# Altium PCB PCB1.PcbDoc (part 2 of 4)
Units mm, origin at the board's own origin, x right, y up, seen from the top; angles counter-clockwise.
Board outline 330.2 x 176.28 mm, 2 copper layers (Top Layer, Bottom Layer); 535 components, 753 nets, 2972 pads, 0 vias.
Unrouted connection lines stored in the file: 384.
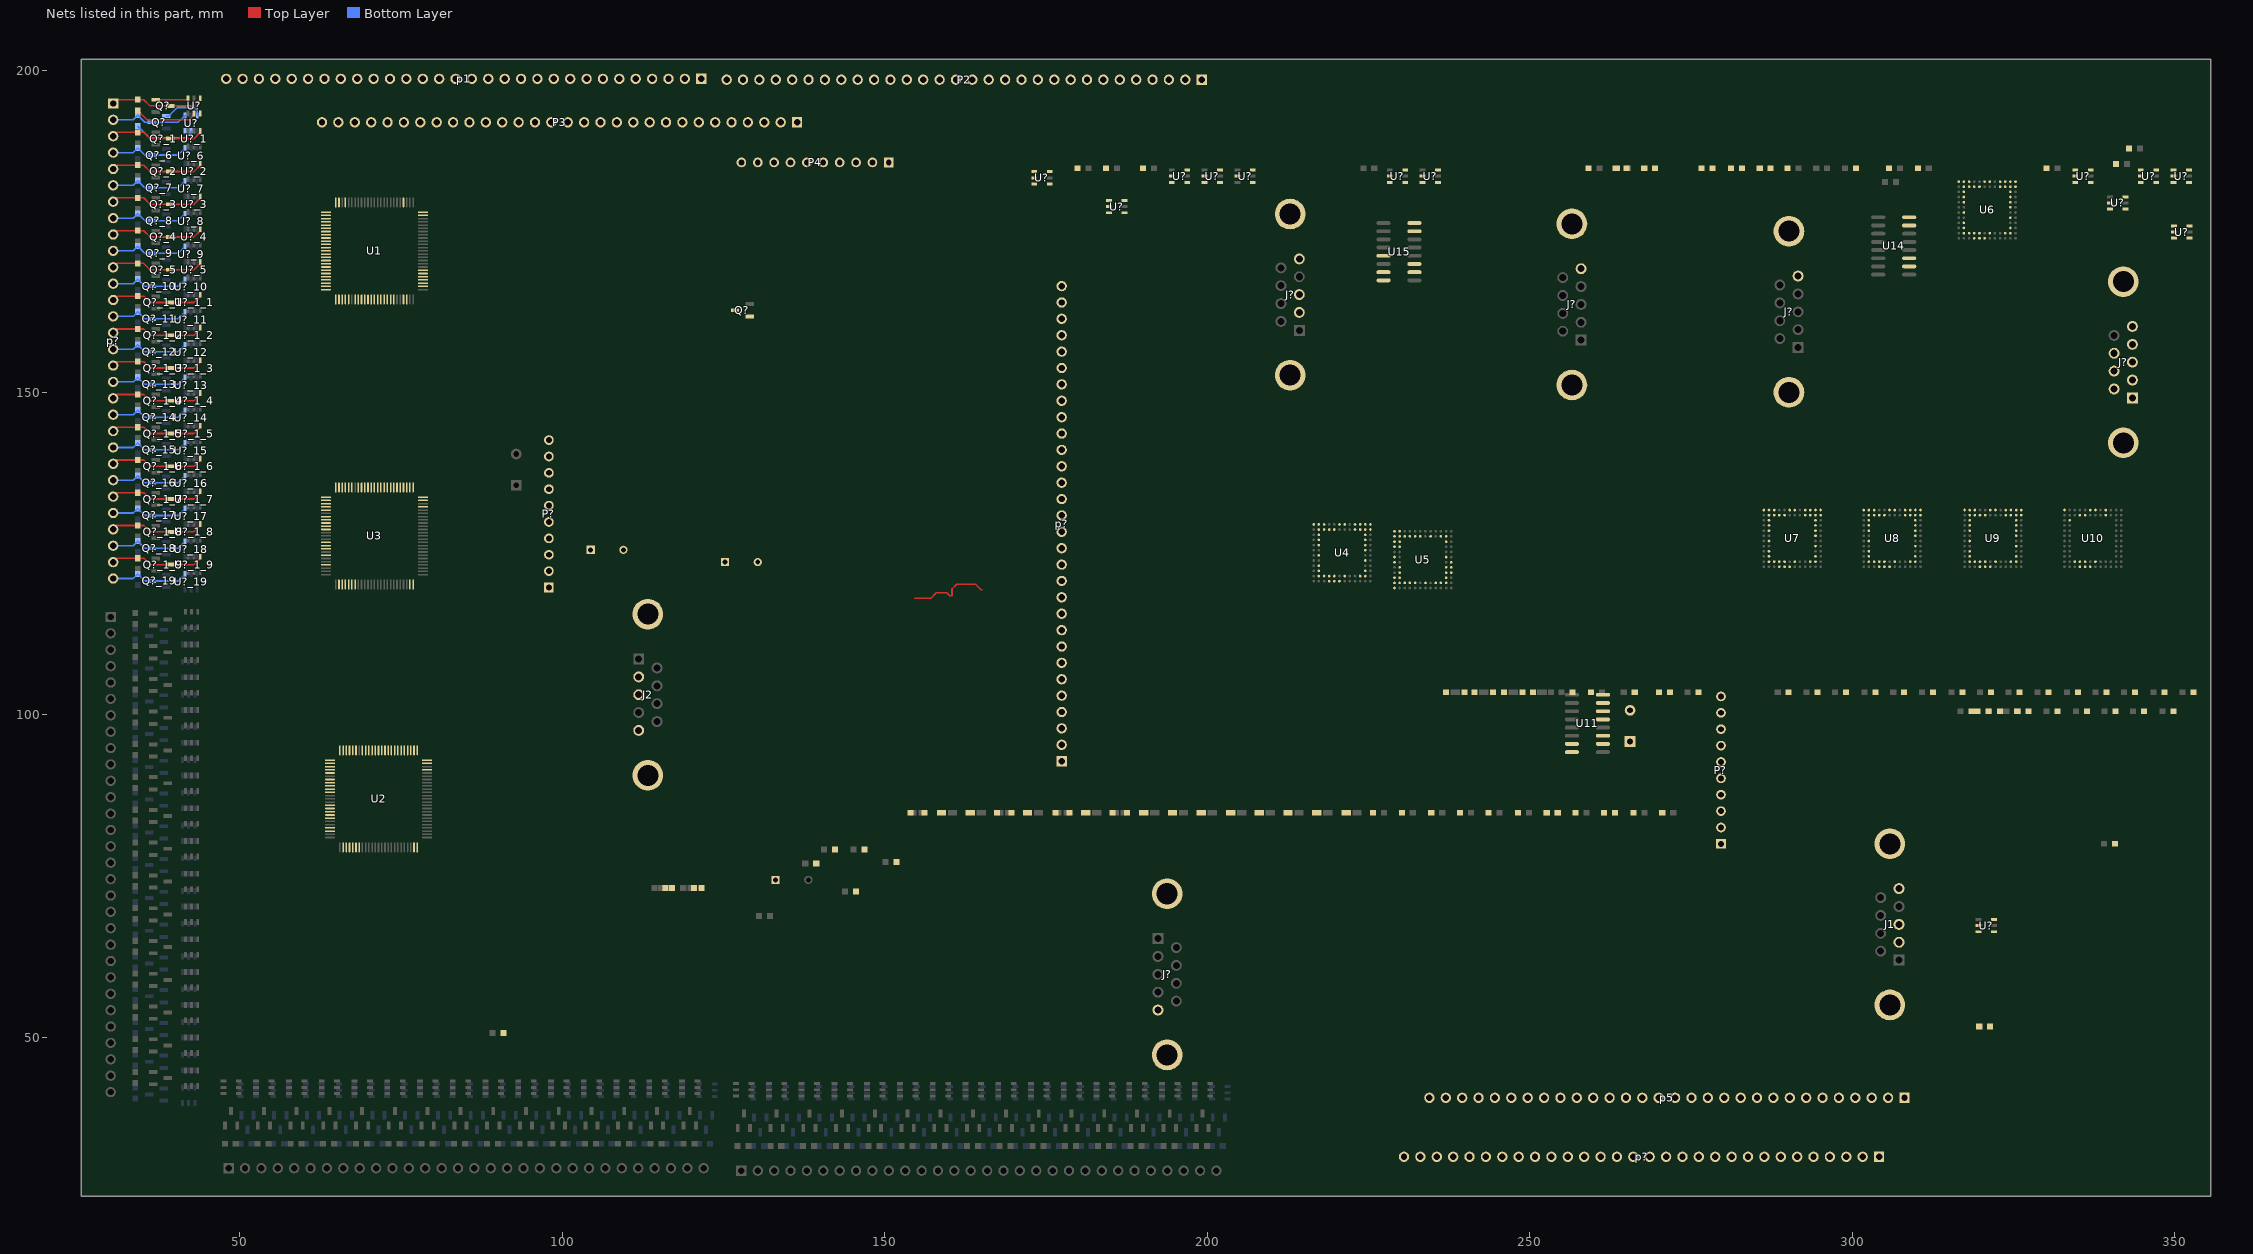
[diagram p2: the nets of this part, all layers, seen from the top]

## Part data
C? C? C? C? C? C? C? C? C? C? C? C? C?: library part Cap, "Capacitor", LatestRevisionDate=17-Jul-2002, LatestRevisionNote="Re-released for DXP Platform.", PackageReference=RAD-0.3, Published=8-Jun-2000, Publisher="Altium Limited"
J1 J2 J? J? J? J? J?: "Receptacle Assembly, 9 Position, Right Angle", PackageDocument=O, DatasheetDocument=1-Sep-1999, Gender=Receptacle, LatestRevisionDate=17-Jul-2002, LatestRevisionNote="Re-released for DXP Platform.", Orientation="Right Angle", PackageReference=788750, Positions=9, Published=15-Jun-2001, Publisher="Altium Limited"
p1 P2 P3 p5 p? p? p? p?_1 p?_1_1 p?_1_2: "Header, 30-Pin", LatestRevisionDate=17-Jul-2002, LatestRevisionNote="Re-released for DXP Platform.", Publisher="Altium Limited"
P4 P? P?: "Header, 10-Pin", LatestRevisionDate=17-Jul-2002, LatestRevisionNote="Re-released for DXP Platform.", Publisher="Altium Limited"
Q? Q? Q? Q?_1 Q?_1_1 Q?_1_1_1 Q?_1_1_1_1 Q?_1_1_1_2 Q?_1_2 Q?_1_2_1 Q?_1_2_1_1 Q?_1_2_1_2 Q?_1_3 Q?_1_3_1 Q?_1_3_1_1 Q?_1_3_1_2 Q?_1_4 Q?_1_4_1 Q?_1_4_1_1 Q?_1_4_1_2 Q?_1_5 Q?_1_5_1 Q?_1_5_1_1 Q?_1_5_1_2 Q?_1_6 Q?_1_6_1 Q?_1_6_1_1 Q?_1_6_1_2 Q?_1_7 Q?_1_7_1 Q?_1_7_1_1 Q?_1_7_1_2 Q?_1_8 Q?_1_8_1 Q?_1_8_1_1 Q?_1_8_1_2 Q?_1_9 Q?_1_9_1 Q?_1_9_1_1 Q?_1_9_1_2 Q?_1_10 Q?_1_10_1 Q?_1_10_2 Q?_2 Q?_2_1 Q?_2_1_1 Q?_2_1_2 Q?_3 Q?_3_1 Q?_3_1_1 Q?_3_1_2 Q?_4 Q?_4_1 Q?_4_1_1 Q?_4_1_2 Q?_5 Q?_5_1 Q?_5_1_1 Q?_5_1_2 Q?_6 Q?_6_1 Q?_6_1_1 Q?_6_1_2 Q?_7 Q?_7_1 Q?_7_1_1 Q?_7_1_2 Q?_8 Q?_8_1 Q?_8_1_1 Q?_8_1_2 Q?_9 Q?_9_1 Q?_9_1_1 Q?_9_1_2 Q?_10 Q?_10_1 Q?_10_1_1 Q?_10_1_2 Q?_11 Q?_11_1 Q?_11_1_1 Q?_11_1_2 Q?_12 Q?_12_1 Q?_12_1_1 Q?_12_1_2 Q?_13 Q?_13_1 Q?_13_1_1 Q?_13_1_2 Q?_14 Q?_14_1 Q?_14_1_1 Q?_14_1_2 Q?_15 Q?_15_1 Q?_15_1_1 Q?_15_1_2 Q?_16 Q?_16_1 Q?_16_1_1 Q?_16_1_2 Q?_17 Q?_17_1 Q?_17_1_1 Q?_17_1_2 Q?_18 Q?_18_1 Q?_18_1_1 Q?_18_1_2 Q?_19 Q?_19_1 Q?_19_1_1 Q?_19_1_2 Q?_20 Q?_20 Q?_20_1 Q?_20_1 Q?_20_2 Q?_20_2: "N-Channel MOSFET", LatestRevisionDate=17-Jul-2002, LatestRevisionNote="Re-released for DXP Platform.", PackageDescription="TO, Flat Index; 3 In-Line, Axial Leads; Body Dia. 4.6mm; Lead Dia. 0.5 mm (max)", PackageReference=E3, PackageVersion=1995/1996, Published=8-Jun-2000, Publisher="Altium Limited"
R? R? R? R? R? R? R? R? R? R? R? R? R? R? R? R? R? R? R? R? R? R? R? R? R? R? R? R? R? R? R? R? R? R? R? R? R? R? R? R? R? R? R? R? R? R? R? R? R? R? R? R? R? R? R? R? R? R? R? R? R? R? R? R? R? R? R? R? R? R? R? R? R? R? R? R? R? R? R? R? R? R? R? R? R? R? R? R? R? R? R? R? R? R? R? R? R? R? R? R? R? R? R? R? R? R? R? R? R? R? R? R? R?_1 R?_1_1 R?_1_1_1 R?_1_1_1_1 R?_1_1_1_2 R?_1_2 R?_1_2_1 R?_1_2_1_1 R?_1_2_1_2 R?_1_3 R?_1_3_1 R?_1_3_1_1 R?_1_3_1_2 R?_1_4 R?_1_4_1 R?_1_4_1_1 R?_1_4_1_2 R?_1_5 R?_1_5_1 R?_1_5_1_1 R?_1_5_1_2 R?_1_6 R?_1_6_1 R?_1_6_1_1 R?_1_6_1_2 R?_1_7 R?_1_7_1 R?_1_7_1_1 R?_1_7_1_2 R?_1_8 R?_1_8_1 R?_1_8_1_1 R?_1_8_1_2 R?_1_9 R?_1_9_1 R?_1_9_1_1 R?_1_9_1_2 R?_1_10 R?_1_10_1 R?_1_10_2 R?_2 R?_2_1 R?_2_1_1 R?_2_1_2 R?_3 R?_3_1 R?_3_1_1 R?_3_1_2 R?_4 R?_4_1 R?_4_1_1 R?_4_1_2 R?_5 R?_5_1 R?_5_1_1 R?_5_1_2 R?_6 R?_6_1 R?_6_1_1 R?_6_1_2 R?_7 R?_7_1 R?_7_1_1 R?_7_1_2 R?_8 R?_8_1 R?_8_1_1 R?_8_1_2 R?_9 R?_9_1 R?_9_1_1 R?_9_1_2 R?_10 R?_10_1 R?_10_1_1 R?_10_1_2 R?_11 R?_11_1 R?_11_1_1 R?_11_1_2 R?_12 R?_12_1 R?_12_1_1 R?_12_1_2 R?_13 R?_13_1 R?_13_1_1 R?_13_1_2 R?_14 R?_14_1 R?_14_1_1 R?_14_1_2 R?_15 R?_15_1 R?_15_1_1 R?_15_1_2 R?_16 R?_16_1 R?_16_1_1 R?_16_1_2 R?_17 R?_17_1 R?_17_1_1 R?_17_1_2 R?_18 R?_18_1 R?_18_1_1 R?_18_1_2 R?_19 R?_19_1 R?_19_1_1 R?_19_1_2 R?_20 R?_20 R?_20_1 R?_20_1 R?_20_2 R?_20_2: library part Res, "Resistor", LatestRevisionDate=17-Jul-2002, LatestRevisionNote="Re-released for DXP Platform.", PackageReference=AXIAL-0.3, Published=8-Jun-2000, Publisher="Altium Limited"
S1 S? S?: "Switch", LatestRevisionDate=17-Jul-2002, LatestRevisionNote="Re-released for DXP Platform.", PackageReference=SPST-2, Published=24-Mar-1999, Publisher="Altium Limited"
U1 U2 U3: "STM32 ARM-based 32-bit MCU with 64 Kbytes Flash, 100-pin LQFP, Industrial Temperature", ComponentLink1Description="Manufacturer Link", ComponentLink1URL=www.st.com/stm32, ComponentLink2Description=Datasheet, ComponentLink2URL=http://www.st.com/stonline/products/literature/ds/13587.pdf, DatasheetVersion="rev6, Mar-2008", PackageDescription="100-Pin Low-Profile Quad Flat Pack, 14 x 14 mm Body, 0.5 mm Pitch (LQFP100)", PackageReference=LQFP100, PackageVersion=Mar-2008, Published=30-May-2008, Publisher="Altium Limited"
U4 U5 U6 U7 U8 U9 U10: "16 Input/16 Output Analog I/O Port With Integrated Amplifiers", Package="CSPBGA -80 Analog Devices", Check_prices=https://www.snapeda.com/parts/AD5590BBCZ/Analog+Devices/view-part/?ref=eda, MF="Analog Devices", MP=AD5590BBCZ, SnapEDA_Link=https://www.snapeda.com/parts/AD5590BBCZ/Analog+Devices/view-part/?ref=snap
U11 U14 U15: "+5V Powered, Multi-Channel RS-232 Driver/Receiver", ComponentAuthor="Saeid Jorablo", ComponentLink1Description=Datasheet, ComponentLink1URL=http://pdfserv.maxim-ic.com/en/ds/MAX220-MAX249.pdf
U? U? U? U? U? U? U? U? U? U? U? U? U? U? U? U?_1 U?_1_1 U?_1_1_1 U?_1_1_1_1 U?_1_1_1_2 U?_1_2 U?_1_2_1 U?_1_2_1_1 U?_1_2_1_2 U?_1_3 U?_1_3_1 U?_1_3_1_1 U?_1_3_1_2 U?_1_4 U?_1_4_1 U?_1_4_1_1 U?_1_4_1_2 U?_1_5 U?_1_5_1 U?_1_5_1_1 U?_1_5_1_2 U?_1_6 U?_1_6_1 U?_1_6_1_1 U?_1_6_1_2 U?_1_7 U?_1_7_1 U?_1_7_1_1 U?_1_7_1_2 U?_1_8 U?_1_8_1 U?_1_8_1_1 U?_1_8_1_2 U?_1_9 U?_1_9_1 U?_1_9_1_1 U?_1_9_1_2 U?_1_10 U?_1_10_1 U?_1_10_2 U?_2 U?_2_1 U?_2_1_1 U?_2_1_2 U?_3 U?_3_1 U?_3_1_1 U?_3_1_2 U?_4 U?_4_1 U?_4_1_1 U?_4_1_2 U?_5 U?_5_1 U?_5_1_1 U?_5_1_2 U?_6 U?_6_1 U?_6_1_1 U?_6_1_2 U?_7 U?_7_1 U?_7_1_1 U?_7_1_2 U?_8 U?_8_1 U?_8_1_1 U?_8_1_2 U?_9 U?_9_1 U?_9_1_1 U?_9_1_2 U?_10 U?_10_1 U?_10_1_1 U?_10_1_2 U?_11 U?_11_1 U?_11_1_1 U?_11_1_2 U?_12 U?_12_1 U?_12_1_1 U?_12_1_2 U?_13 U?_13_1 U?_13_1_1 U?_13_1_2 U?_14 U?_14_1 U?_14_1_1 U?_14_1_2 U?_15 U?_15_1 U?_15_1_1 U?_15_1_2 U?_16 U?_16_1 U?_16_1_1 U?_16_1_2 U?_17 U?_17_1 U?_17_1_1 U?_17_1_2 U?_18 U?_18_1 U?_18_1_1 U?_18_1_2 U?_19 U?_19_1 U?_19_1_1 U?_19_1_2 U?_20 U?_20 U?_20_1 U?_20_1 U?_20_2 U?_20_2: "High Accuracy Ultralow IQ,  200 mA, SOT-23, anyCAP? Low Dropout Regulator"
Y? Y?: library part XTAL, "Crystal Oscillator", LatestRevisionDate=17-Jul-2002, LatestRevisionNote="Re-released for DXP Platform.", PackageReference=R38, Published=8-Jun-2000, Publisher="Altium Limited"

## Nets (pads, with @x,y where several pads share a name; then routed paths per layer and width w, separated by ;. In a path a pad name is that pad's centre, name@x,y a point inside that pad or via, vN(x,y) a via of type N, cw(c..) or ccw(c..) an arc to the next point about the centre after c; other vN are vias at no path point)
1: 
1.8: 
1V8: 
3.3v: C?.2@244.31,103.505 C?.2@300.571,184.785 U1.11 U1.22 U1.28 U1.50 U1.75 U1.100 U2.11 U2.22 U2.28 U2.50 U2.75 U2.100 U3.11 U3.22 U3.28 U3.50 U3.75 U3.100 U11.16 U14.16 U15.16 U?.6@175.571,184.236 U?.6@187.185,179.766 U?.6@336.988,184.49 U?.6@342.379,180.34 U?.6@347.148,184.49 U?.6@352.228,184.49 U?.6@352.285,175.829
3V3: 
5v: Q?.1 R?.1@190.03,184.785 R?.1@305.727,184.785 R?.1@310.172,184.785 R?.1@330.111,184.785 U?.6@41.951,195.637 U?.6@43.393,192.97 U?.6@196.907,184.49 U?.6@201.987,184.49 U?.6@207.067,184.49 U?.6@230.689,184.49 U?.6@235.769,184.49 U?.6@322.002,68.285 | length 11.5
  Top Layer w0.254: Q?.1@36.974,195.387 41.853,195.387 41.951,195.485 U?.6@41.951,195.637
  Bottom Layer w0.254: Q?.1@38.591,192.847 38.941,192.847 40.277,194.183 42.926,194.183 43.393,193.716 U?.6@43.393,192.97
adc_clk_1: U4.L7
adc_clk_2: U5.L7
adc_clk_3: U6.L7
adc_clk_4: U7.L7
adc_clk_5: U8.L7
adc_clk_6: U9.L7
adc_clk_7: U10.L7
adc_output_1: U4.M6
adc_output_2: U5.M6
adc_output_3: U6.M6
adc_output_4: U7.M6
adc_output_5: U8.M6
adc_output_6: U9.M6
adc_output_7: U10.M6
analog_out_1: U4.A1 U?.1@334.588,184.49
analog_out_2: U4.B9
analog_out_3: U4.C2
analog_out_4: U4.B4
analog_out_5: U4.D2
analog_out_6: U4.A3
analog_out_7: U4.E2
analog_out_8: U4.A2
analog_out_9: U4.A10
analog_out_10: U4.C11
analog_out_11: U4.A11
analog_out_12: U4.D11
analog_out_13: U4.B10
analog_out_14: U4.E11
analog_out_15: U4.A12
analog_out_16: U4.F11
analog_out_17: U5.A1
analog_out_18: U5.B9
analog_out_19: U5.C2
analog_out_20: U5.B4
analog_out_21: U5.D2
analog_out_22: U5.A3
analog_out_23: U5.E2
analog_out_24: U5.A2
analog_out_25: U5.A10
analog_out_26: U5.C11
analog_out_27: U5.A11
analog_out_28: U5.D11
analog_out_29: U5.B10
analog_out_30: U5.E11
analog_out_31: U5.A12
analog_out_32: U5.F11
analog_out_33: U6.A1
analog_out_34: U6.B9
analog_out_35: U2.77 U6.C2
analog_out_36: U2.78 U6.B4
analog_out_37: U2.79 U6.D2
analog_out_38: U2.80 U6.A3
analog_out_39: U2.81 U6.E2
analog_out_40: U2.82 U6.A2
analog_out_41: U2.83 U6.A10 U?.1@344.748,184.49
analog_out_42: U2.84 U6.C11
analog_out_43: U2.85 U6.A11
analog_out_44: U2.86 U6.D11
analog_out_45: U2.87 U6.B10
analog_out_46: U2.88 U6.E11
analog_out_47: U2.89 U6.A12
analog_out_48: U2.90 U6.F11
analog_out_49: U2.91 U7.A1
analog_out_50: U2.92 U7.B9
analog_out_51: U2.93 U7.C2
analog_out_52: U2.95 U7.B4
analog_out_53: U2.96 U7.D2
analog_out_54: U2.97 U7.A3
analog_out_55: U2.98 U7.E2
analog_out_56: U2.1 U7.A2
analog_out_57: U2.2 U7.A10
analog_out_58: U2.3 U7.C11
analog_out_59: U2.4 U7.A11
analog_out_60: U2.5 U7.D11
analog_out_61: U2.7 U7.B10 U?.1@349.828,184.49
analog_out_62: U2.8 U7.E11 U?.1@173.171,184.236
analog_out_63: U2.9 U7.A12
analog_out_64: U2.15 U7.F11
analog_out_65: U2.16 U8.A1
analog_out_66: U2.17 U8.B9
analog_out_67: U2.18 U8.C2
analog_out_68: U2.23 U8.B4
analog_out_69: U3.77 U8.D2
analog_out_70: U3.78 U8.A3
analog_out_71: U3.79 U8.E2
analog_out_72: U3.80 U8.A2
analog_out_73: U3.81 U8.A10
analog_out_74: U3.82 U8.C11
analog_out_75: U3.83 U8.A11
analog_out_76: U3.84 U8.D11
analog_out_77: U3.85 U8.B10
analog_out_78: U3.86 U8.E11
analog_out_79: U3.87 U8.A12
analog_out_80: U3.88 U8.F11
analog_out_81: U3.89 U9.A1 U?.1@349.885,175.829
analog_out_82: U3.90 U9.B9 U?.1@184.785,179.766
analog_out_83: U3.91 U9.C2
analog_out_84: U3.92 U9.B4
analog_out_85: U3.93 U9.D2
analog_out_86: U3.95 U9.A3
analog_out_87: U3.96 U9.E2
analog_out_88: U3.97 U9.A2
analog_out_89: U3.98 U9.A10
analog_out_90: U3.1 U9.C11
analog_out_91: U3.2 U9.A11
analog_out_92: U3.3 U9.D11
analog_out_93: U3.4 U9.B10
analog_out_94: U3.5 U9.E11
analog_out_95: U3.7 U9.A12
analog_out_96: U3.8 U9.F11
analog_out_97: U3.9 U10.A1
analog_out_98: U3.15 U10.B9
analog_out_99: U3.16 U10.C2
analog_out_100: U3.17 U10.B4
AVDD18: 
AVDD33: C?.1@169.634,84.836 C?.1@179.87,184.785 C?.1@259.118,184.785 C?.1@259.499,103.505 C?.1@340.906,185.42 J1.5 J1.10 J1.11 J2.5 J2.10 J2.11 J?.5@192.359,54.241 J?.5@214.272,170.718 J?.5@257.96,169.194 J?.5@291.615,168.051 J?.10@193.779,72.276 J?.10@212.852,152.683 J?.10@256.54,151.159 J?.10@290.195,150.016 J?.11@193.779,47.286 J?.11@212.852,177.673 J?.11@256.54,176.149 J?.11@290.195,175.006 R?.1@34.163,191.3 R?.1@34.163,193.713 R?.1@246.037,103.505 R?.1@263.309,184.785 R?.1@267.754,184.785 R?.1@276.644,184.785 R?.1@281.216,184.785 R?.1@285.661,184.785 R?.1@319.697,51.689 R?.2@90.856,50.673 R?.2@117.018,73.152 R?.2@120.447,73.152 R?.2@121.59,73.152 R?.2@145.504,72.644 R?.2@146.863,79.121 R?.2@151.816,77.216 R?.2@159.042,84.836 R?.2@162.979,84.836 R?.2@167.424,84.836 R?.2@171.869,84.836 R?.2@176.441,84.836 R?.2@181.394,84.836 R?.2@189.903,84.836 R?.2@190.411,84.836 R?.2@194.856,84.836 R?.2@203.365,84.836 R?.2@207.81,84.836 R?.2@208.318,84.836 R?.2@212.763,84.836 R?.2@216.7,84.836 R?.2@221.272,84.836 R?.2@234.734,84.836 R?.2@239.179,84.836 R?.2@239.865,103.505 R?.2@248.196,84.836 R?.2@252.641,84.836 R?.2@256.629,103.505 R?.2@257.086,84.836 R?.2@266.103,84.836 R?.2@270.548,84.836 R?.2@276.187,103.505 R?.2@290.157,103.505 R?.2@303.619,103.505 R?.2@317.081,103.505 R?.2@318.478,100.584 R?.2@321.145,100.584 R?.2@321.526,103.505 R?.2@322.923,100.584 R?.2@325.59,100.584 R?.2@334.988,103.505 R?.2@336.385,100.584 R?.2@339.433,103.505 R?.2@340.83,100.584 R?.2@340.741,80.01 R?.2@352.895,103.505 S1.1 S?.1@133.058,74.422 U1.10 U1.19 U1.27 U1.49 U1.74 U1.99 U2.10 U2.19 U2.27 U2.49 U2.74 U2.99 U3.10 U3.19 U3.27 U3.49 U3.74 U3.99 U4.A9 U4.B5 U4.M5 U5.A9 U5.B5 U5.M5 U6.A9 U6.B5 U6.M5 U7.A9 U7.B5 U7.M5 U8.A9 U8.B5 U8.M5 U9.A9 U9.B5 U9.M5 U10.A9 U10.B5 U10.M5 U11.15 U14.15 U15.15 U?.2 U?.3@173.171,182.336 U?.3@184.785,177.866 U?.3@334.588,182.59 U?.3@339.979,178.44 U?.3@344.748,182.59 U?.3@349.828,182.59 U?.3@349.885,173.929 Y?.2@265.557,100.711 | length 19.5
  Top Layer w0.254: R?.1@34.163,193.713 34.163,193.688 34.48,193.37 34.506,193.37 35.598,192.278 42.167,192.278 42.901,193.012 U?.2@42.901,193.237
  Bottom Layer w0.254: R?.1@34.163,191.3 34.163,191.275 34.481,190.957 34.506,190.957 35.979,189.484 41.582,189.484 42.443,190.345 U?.2@42.443,190.57
D1_N: J?.2@343.454,151.928
D1_P: J?.1@343.454,149.158
D2_N: J?.4@343.454,157.468
D2_P: J?.3@343.454,154.698
D3_N: J?.6@340.614,150.543
D3_P: J?.5@343.454,160.238
D4_N: J?.8@340.614,156.083
D4_P: J?.7@340.614,153.313
dac_clk_1: U4.A6
dac_clk_2: U5.A6
dac_clk_3: U6.A6
dac_clk_4: U7.A6
dac_clk_5: U8.A6
dac_clk_6: U9.A6
dac_clk_7: U10.A6
dac_input_1: U4.A7
dac_input_2: U5.A7
dac_input_3: U6.A7
dac_input_4: U7.A7
dac_input_5: U8.A7
dac_input_6: U9.A7
dac_input_7: U10.A7
digital_out_1: U1.77 U?.3@43.851,193.237
digital_out_2: U1.78 U?.3@41.493,190.57
digital_out_3: U1.79
digital_out_4: U1.80
digital_out_5: U1.81
digital_out_6: U1.82
digital_out_7: U1.83
digital_out_8: U1.84
digital_out_9: U1.85
digital_out_10: U1.86
digital_out_11: U1.87 U?.3@228.289,182.59
digital_out_12: U1.88
digital_out_13: U1.89
digital_out_14: U1.90
digital_out_15: U1.91
digital_out_16: U1.92
digital_out_17: U1.93
digital_out_18: U1.95
digital_out_19: U1.96
digital_out_20: U1.97
digital_out_21: U1.98 U?.3@233.369,182.59
digital_out_22: U1.1
digital_out_23: U1.2
digital_out_24: U1.3
digital_out_25: U1.4
digital_out_26: U1.5
digital_out_27: U1.7 U?.3@319.602,66.385
digital_out_28: U1.8
digital_out_29: U1.9
digital_out_30: U1.15
digital_out_31: U1.16
digital_out_32: U1.17
digital_out_33: U1.18
digital_out_34: U1.23
digital_out_35: 
digital_out_36: 
digital_out_37: 
digital_out_38: 
digital_out_39: 
digital_out_40: 
digital_out_41: 
digital_out_42: 
digital_out_43: 
digital_out_44: 
digital_out_45: 
digital_out_46: 
digital_out_47: 
digital_out_48: 
digital_out_49: 
digital_out_50: 
digital_out_51: 
digital_out_52: 
digital_out_53: 
digital_out_54: 
digital_out_55: 
digital_out_56: 
digital_out_57: 
digital_out_58: 
digital_out_59: 
digital_out_60: 
digital_out_61: 
digital_out_62: 
digital_out_63: 
digital_out_64: 
digital_out_65: 
digital_out_66: 
digital_out_67: 
digital_out_68: 
digital_out_69: 
digital_out_70: 
digital_out_71: U?.3@194.507,182.59
digital_out_72: 
digital_out_73: 
digital_out_74: 
digital_out_75: 
digital_out_76: 
digital_out_77: 
digital_out_78: 
digital_out_79: 
digital_out_80: 
digital_out_81: U?.3@199.587,182.59
digital_out_82: 
digital_out_83: 
digital_out_84: 
digital_out_85: 
digital_out_86: 
digital_out_87: 
digital_out_88: 
digital_out_89: 
ETH-LDL: 
ETH-LDR: 
ETH-MDC: 
ETH-MDIO: 
ETH-RXCK: 
ETH-RXCTL: 
ETH-RXD0: 
ETH-RXD1: 
ETH-RXD2: 
ETH-RXD3: 
ETH-TXCK: 
ETH-TXCTL: 
ETH-TXD0: 
ETH-TXD1: 
ETH-TXD2: 
ETH-TXD3: 
ETHAVDD: 
in_a_1: p5.1 U4.M4
in_a_2: p5.2 U4.L5
in_a_3: p5.3 U4.L3
in_a_4: p5.4 U4.L4
in_a_5: p5.5 U4.L2
in_a_6: p5.6 U4.G2
in_a_7: p5.7 U4.K2
in_a_8: p5.8 U4.J2
in_a_9: p5.9 U4.B2
in_a_10: p5.10 U4.B3
in_a_11: p5.11 U4.B11
in_a_12: p5.12 U4.L11
in_a_13: p5.13 U4.B12
in_a_14: p5.14 U4.L10
in_a_15: p5.15 U4.K11
in_a_16: p5.16 U4.H11
in_a_17: p5.17 U5.M4
in_a_18: p5.18 U5.L5
in_a_19: p5.19 U5.L3
in_a_20: p5.20 U5.L4
in_a_21: p5.21 U5.L2
in_a_22: p5.22 U5.G2
in_a_23: p5.23 U5.K2
in_a_24: p5.24 U5.J2
in_a_25: p5.25 U5.B2
in_a_26: p5.26 U5.B3
in_a_27: p5.27 U5.B11
in_a_28: p5.28 U5.L11
in_a_29: p5.29 U5.B12
in_a_30: p5.30 U5.L10
in_a_31: p?.1@177.419,92.837 U5.K11
in_a_32: p?.2@177.419,95.377 U5.H11
in_a_33: p?.3@177.419,97.917 U6.M4
in_a_34: p?.4@177.419,100.457 U6.L5
in_a_35: p?.5@177.419,102.997 U6.L3
in_a_36: p?.6@177.419,105.537 U6.L4
in_a_37: p?.7@177.419,108.077 U6.L2
in_a_38: p?.8@177.419,110.617 U6.G2
in_a_39: p?.9@177.419,113.157 U6.K2
in_a_40: p?.10@177.419,115.697 U6.J2
in_a_41: p?.11@177.419,118.237 U6.B2
in_a_42: p?.12@177.419,120.777 U6.B3
in_a_43: p?.13@177.419,123.317 U6.B11
in_a_44: p?.14@177.419,125.857 U6.L11
in_a_45: p?.15@177.419,128.397 U6.B12
in_a_46: p?.16@177.419,130.937 U6.L10
in_a_47: p?.17@177.419,133.477 U6.K11
in_a_48: p?.18@177.419,136.017 U6.H11
in_a_49: p?.19@177.419,138.557 U7.M4
in_a_50: p?.20@177.419,141.097 U7.L5
in_a_51: p?.21@177.419,143.637 U7.L3
in_a_52: p?.22@177.419,146.177 U7.L4
in_a_53: p?.23@177.419,148.717 U7.L2
in_a_54: p?.24@177.419,151.257 U7.G2
in_a_55: p?.25@177.419,153.797 U7.K2
in_a_56: p?.26@177.419,156.337 U7.J2
in_a_57: p?.27@177.419,158.877 U7.B2
in_a_58: p?.28@177.419,161.417 U7.B3
in_a_59: p?.29@177.419,163.957 U7.B11
in_a_60: p?.30@177.419,166.497 U7.L11
in_a_61: U7.B12
in_a_62: U7.L10
in_a_63: U7.K11
in_a_64: U7.H11
in_a_65: U8.M4
in_a_66: U8.L5
in_a_67: U8.L3
in_a_68: U8.L4
in_a_69: U8.L2
in_a_70: U8.G2
in_a_71: U8.K2
in_a_72: U8.J2
in_a_73: U8.B2
in_a_74: U8.B3
in_a_75: U8.B11
in_a_76: U8.L11
in_a_77: U8.B12
in_a_78: U8.L10
in_a_79: U8.K11
in_a_80: U8.H11
in_a_81: U9.M4
in_a_82: U9.L5
in_a_83: U9.L3
in_a_84: U9.L4
in_a_85: U9.L2
in_a_86: U9.G2
in_a_87: U9.K2
in_a_88: U9.J2
in_a_89: U9.B2
in_a_90: U9.B3
in_a_91: U9.B11
in_a_92: U9.L11
in_a_93: U9.B12
in_a_94: U9.L10
in_a_95: U9.K11
in_a_96: U9.H11
in_a_97: U10.M4
in_a_98: U10.L5
in_a_99: U10.L3
in_a_100: U10.L4
in_d_1: p1.1
in_d_2: p1.2
in_d_3: p1.3 R?.2@142.291,79.121
in_d_4: p1.4
in_d_5: p1.5 R?.2@139.37,76.962
in_d_6: p1.6
in_d_7: p1.7
in_d_8: p1.8 R?.2@248.882,103.505
in_d_9: p1.9 R?.2@266.281,103.505
in_d_10: p1.10
in_d_11: p1.11
in_d_12: p1.12
in_d_13: p1.13 R?.2@257.086,84.836
in_d_14: p1.14 R?.2@217.208,84.836
in_d_15: p1.15 R?.2@199.301,84.836
in_d_16: p1.16 R?.1@187.541,84.836
in_d_17: p1.17 R?.1@178.651,84.836
in_d_18: p1.18
in_d_19: p1.19
in_d_20: p1.20 R?.2@345.275,100.584
in_d_21: p1.21 R?.2@261.531,84.836
in_d_22: p1.22 R?.2@221.78,84.836
in_d_23: p1.23 R?.2@203.873,84.836
in_d_24: p1.24
in_d_25: p1.25
in_d_26: p1.26
in_d_27: p1.27
in_d_28: p1.28
in_d_29: p1.29
in_d_30: p1.30
in_d_31: P2.1
in_d_32: P2.2
in_d_33: P2.3 R?.2@172.377,84.836
in_d_34: P2.4 R?.2@163.487,84.836
in_d_35: P2.5 R?.2@230.162,84.836
in_d_36: P2.6 R?.2@225.717,84.836
in_d_37: P2.7 R?.2@212.255,84.836
in_d_38: P2.8 R?.2@198.793,84.836
in_d_39: P2.9 R?.2@185.331,84.836
in_d_40: P2.10 R?.2@194.348,84.836
in_d_41: P2.11 R?.2@180.886,84.836
in_d_42: P2.12 R?.2@158.534,84.836
in_d_43: P2.13 R?.2@153.962,84.836
in_d_44: P2.14
in_d_45: P2.15
in_d_46: P2.16
in_d_47: P2.17
in_d_48: P2.18 R?.2@331.813,100.584
in_d_49: P2.19 R?.2@349.847,100.584
in_d_50: P2.20 R?.1@263.233,84.836
in_d_51: P2.21 R?.1@254.343,84.836
in_d_52: P2.22
in_d_53: P2.23
in_d_54: P2.24
in_d_55: P2.25
in_d_56: P2.26 R?.2@327.368,100.584
in_d_57: P2.27 R?.2@345.275,100.584
in_d_58: P2.28
in_d_59: P2.29
in_d_60: P2.30
in_d_61: P3.1
in_d_62: P3.2
in_d_63: P3.3
in_d_64: P3.4
in_d_65: P3.5
in_d_66: P3.6
in_d_67: P3.7 R?.2@248.196,84.836
in_d_68: P3.8 R?.2@243.624,84.836
in_d_69: P3.9
in_d_70: P3.10
in_d_71: P3.11
in_d_72: P3.12
in_d_73: P3.13
in_d_74: P3.14
in_d_75: P3.15
in_d_76: P3.16
in_d_77: P3.17
in_d_78: P3.18 R?.2@299.047,103.505
in_d_79: P3.19 R?.2@312.509,103.505
in_d_80: P3.20 R?.2@330.416,103.505
in_d_81: P3.21 R?.2@348.45,103.505
in_d_82: P3.22
in_d_83: P3.23
in_d_84: P3.24
in_d_85: P3.25
in_d_86: P3.26 R?.2@294.602,103.505
in_d_87: P3.27 R?.2@308.064,103.505
in_d_88: P3.28 R?.2@325.971,103.505
in_d_89: P3.29 R?.2@343.878,103.505
in_d_90: P3.30
in_d_91: P4.1
in_d_92: P4.2
in_d_93: P4.3 R?.2@142.291,79.121
in_d_94: P4.4
in_d_95: P4.5
in_d_96: P4.6
in_d_97: P4.7 R?.2@116.002,73.152
in_d_98: P4.8 R?.1@237.02,103.505
in_d_99: P4.9 R?.1@241.465,103.505
in_d_100: P4.10 R?.1@250.482,103.505
LD-MIO/VCFG0: 
miso_1: U1.31
miso_2: U2.31
miso_3: U3.31
mosi_1: U1.32
mosi_2: U2.32
mosi_3: U3.32
NetC1_2: U1.12
NetC2_2: U1.13
NetC?_1: U15.5
NetC?_2: S1.2 U1.14
NetD?_A: 
NetJ1_2: J1.2 U11.14
NetJ1_3: J1.3 U11.13
NetJ2_2: J2.2 U11.7
NetJ2_3: J2.3 U11.8
NetJ?_2: J?.2@214.272,162.408 U15.7
NetJ?_3: J?.3@214.272,165.178 U15.8
NetQ?_2: 
NetR?_1: R?.1@319.443,100.584 U1.54
NetR?_2: U1.94
NetU?_D5: 
NLETHAVDD: 
nss_1: U1.29
nss_2: U2.29
nss_3: U3.29
out_a_1: U?.4@336.988,182.59
out_a_2: 
out_a_3: 
out_a_4: 
out_a_5: 
out_a_6: 
out_a_7: 
out_a_8: 
out_a_9: 
out_a_10: 
out_a_11: 
out_a_12: 
out_a_13: 
out_a_14: 
out_a_15: 
out_a_16: 
out_a_17: 
out_a_18: 
out_a_19: 
out_a_20: 
out_a_21: U?.4@342.379,178.44
out_a_22: 
out_a_23: 
out_a_24: 
out_a_25: 
out_a_26: 
out_a_27: 
out_a_28: 
out_a_29: 
out_a_30: 
out_a_31: 
out_a_32: 
out_a_33: 
out_a_34: 
out_a_35: 
out_a_36: 
out_a_37: 
out_a_38: 
out_a_39: 
out_a_40: 
out_a_41: U?.4@347.148,182.59
out_a_42: 
out_a_43: 
out_a_44: 
out_a_45: 
out_a_46: 
out_a_47: 
out_a_48: 
out_a_49: 
out_a_50: 
out_a_51: 
out_a_52: 
out_a_53: 
out_a_54: 
out_a_55: 
out_a_56: 
out_a_57: 
out_a_58: 
out_a_59: 
out_a_60: 
out_a_61: U?.4@352.228,182.59
out_a_62: U?.4@175.571,182.336
out_a_63: 
out_a_64: 
out_a_65: 
out_a_66: 
out_a_67: 
out_a_68: 
out_a_69: 
out_a_70: 
out_a_71: 
out_a_72: 
out_a_73: 
out_a_74: 
out_a_75: 
out_a_76: 
out_a_77: 
out_a_78: 
out_a_79: 
out_a_80: 
out_a_81: U?.4@352.285,173.929
out_a_82: U?.4@187.185,177.866
out_a_83: 
out_a_84: 
out_a_85: 
out_a_86: 
out_a_87: 
out_a_88: 
out_a_89: 
out_a_90: 
out_a_91: P?.1@97.917,119.761
out_a_92: P?.2@97.917,122.301
out_a_93: P?.3@97.917,124.841
out_a_94: P?.4@97.917,127.381
out_a_95: P?.5@97.917,129.921
out_a_96: P?.6@97.917,132.461
out_a_97: P?.7@97.917,135.001
out_a_98: P?.8@97.917,137.541
out_a_99: P?.9@97.917,140.081
out_a_100: P?.10@97.917,142.621
out_d_1: p?.1@30.353,194.818 Q?.3@39.226,194.437 R?.2@34.163,195.415 U?.4@43.851,195.637 | length 14.8
  Top Layer w0.254: p?.1@30.353,194.818 30.95,195.415 R?.2@34.163,195.415 35.09,195.415 36.068,194.437 Q?.3@39.226,194.437 42.876,194.437 43.851,195.412 U?.4@43.851,195.637
out_d_2: p?.2@30.353,192.278 Q?.3@36.339,191.897 R?.2@34.163,193.002 U?.4@41.493,192.97 | length 12.5
  Bottom Layer w0.254: p?.2@30.353,192.278 33.465,192.278 R?.2@34.163,192.976 ; R?.2@34.163,193.002 R?.2@34.163,192.976 ; U?.4@41.493,192.97 41.493,192.745 41.395,192.647 41.17,192.647 40.42,191.897 Q?.3@36.339,191.897 35.242,191.897 R?.2@34.163,192.976
out_d_3: p?.3@30.353,189.738 Q?_1.3 R?_1.2 U?_1.4 | length 14.8
  Top Layer w0.254: p?.3@30.353,189.738 30.95,190.335 R?_1.2@34.163,190.335 35.09,190.335 36.068,189.357 Q?_1.3@39.226,189.357 42.876,189.357 43.851,190.332 U?_1.4@43.851,190.557
out_d_4: p?.4@30.353,187.198 Q?_6.3 R?_6.2 U?_6.4 | length 11.9
  Bottom Layer w0.254: p?.4@30.353,187.198 33.465,187.198 34.163,187.897 35.242,186.817 Q?_6.3@36.339,186.817 40.42,186.817 41.17,187.567
out_d_5: p?.5@30.353,184.658 Q?_2.3 R?_2.2 U?_2.4 | length 13.9
  Top Layer w0.254: 30.95,185.255 R?_2.2@34.163,185.255 35.09,185.255 36.068,184.277 Q?_2.3@39.226,184.277 42.876,184.277 43.851,185.252 U?_2.4@43.851,185.477
out_d_6: p?.6@30.353,182.118 Q?_7.3 R?_7.2 U?_7.4 | length 11.9
  Bottom Layer w0.254: p?.6@30.353,182.118 33.465,182.118 34.163,182.816 35.242,181.737 Q?_7.3@36.339,181.737 40.42,181.737 41.17,182.487
out_d_7: p?.7@30.353,179.578 Q?_3.3 R?_3.2 U?_3.4 | length 13.9
  Top Layer w0.254: 30.95,180.175 R?_3.2@34.163,180.175 35.09,180.175 36.068,179.197 Q?_3.3@39.226,179.197 42.876,179.197 43.851,180.172 U?_3.4@43.851,180.397
out_d_8: p?.8@30.353,177.038 Q?_8.3 R?_8.2 U?_8.4 | length 11.9
  Bottom Layer w0.254: p?.8@30.353,177.038 33.465,177.038 34.163,177.737 35.242,176.657 Q?_8.3@36.339,176.657 40.42,176.657 41.17,177.407
out_d_9: p?.9@30.353,174.498 Q?_4.3 R?_4.2 U?_4.4 | length 13.9
  Top Layer w0.254: 30.95,175.095 R?_4.2@34.163,175.095 35.09,175.095 36.068,174.117 Q?_4.3@39.226,174.117 42.876,174.117 43.851,175.092 U?_4.4@43.851,175.317
out_d_10: p?.10@30.353,171.958 Q?_9.3 R?_9.2 U?_9.4 | length 11.9
  Bottom Layer w0.254: p?.10@30.353,171.958 33.465,171.958 34.163,172.656 35.242,171.577 Q?_9.3@36.339,171.577 40.42,171.577 41.17,172.327
out_d_11: p?.11@30.353,169.418 Q?_5.3 R?.2@265.011,184.785 R?_5.2 U?.4@230.689,182.59 U?_5.4 | length 13.9
  Top Layer w0.254: 30.95,170.015 R?_5.2@34.163,170.015 35.09,170.015 36.068,169.037 Q?_5.3@39.226,169.037 42.876,169.037 43.851,170.012 U?_5.4@43.851,170.237
out_d_12: p?.12@30.353,166.878 Q?_10.3 R?_10.2 U?_10.4 | length 11.9
  Bottom Layer w0.254: p?.12@30.353,166.878 33.465,166.878 34.163,167.576 35.242,166.497 Q?_10.3@36.339,166.497 40.42,166.497 41.17,167.247
out_d_13: p?.13@30.353,164.338 Q?_1_1.3 R?_1_1.2 U?_1_1.4 | length 14.8
  Top Layer w0.254: p?.13@30.353,164.338 30.95,164.935 R?_1_1.2@34.163,164.935 35.09,164.935 36.068,163.957 Q?_1_1.3@39.226,163.957 42.876,163.957 43.851,164.932 U?_1_1.4@43.851,165.157
out_d_14: p?.14@30.353,161.798 Q?_11.3 R?_11.2 U?_11.4 | length 11.9
  Bottom Layer w0.254: p?.14@30.353,161.798 33.465,161.798 34.163,162.496 35.242,161.417 Q?_11.3@36.339,161.417 40.42,161.417 41.17,162.167
out_d_15: p?.15@30.353,159.258 Q?_1_2.3 R?_1_2.2 U?_1_2.4 | length 14.8
  Top Layer w0.254: p?.15@30.353,159.258 30.95,159.855 R?_1_2.2@34.163,159.855 35.09,159.855 36.068,158.877 Q?_1_2.3@39.226,158.877 42.876,158.877 43.851,159.852 U?_1_2.4@43.851,160.077
out_d_16: p?.16@30.353,156.718 Q?_12.3 R?_12.2 U?_12.4 | length 11.9
  Bottom Layer w0.254: p?.16@30.353,156.718 33.465,156.718 34.163,157.416 35.242,156.337 Q?_12.3@36.339,156.337 40.42,156.337 41.17,157.087
out_d_17: p?.17@30.353,154.178 Q?_1_3.3 R?_1_3.2 U?_1_3.4 | length 14.8
  Top Layer w0.254: p?.17@30.353,154.178 30.95,154.775 R?_1_3.2@34.163,154.775 35.09,154.775 36.068,153.797 Q?_1_3.3@39.226,153.797 42.876,153.797 43.851,154.772 U?_1_3.4@43.851,154.997
out_d_18: p?.18@30.353,151.638 Q?_13.3 R?_13.2 U?_13.4 | length 11.9
  Bottom Layer w0.254: p?.18@30.353,151.638 33.465,151.638 34.163,152.337 35.242,151.257 Q?_13.3@36.339,151.257 40.42,151.257 41.17,152.007
out_d_19: p?.19@30.353,149.098 Q?_1_4.3 R?_1_4.2 U?_1_4.4 | length 14.8
  Top Layer w0.254: p?.19@30.353,149.098 30.95,149.695 R?_1_4.2@34.163,149.695 35.09,149.695 36.068,148.717 Q?_1_4.3@39.226,148.717 42.876,148.717 43.851,149.692 U?_1_4.4@43.851,149.917
out_d_20: p?.20@30.353,146.558 Q?_14.3 R?_14.2 U?_14.4 | length 11.9
  Bottom Layer w0.254: p?.20@30.353,146.558 33.465,146.558 34.163,147.256 35.242,146.177 Q?_14.3@36.339,146.177 40.42,146.177 41.17,146.927
out_d_21: p?.21@30.353,144.018 Q?_1_5.3 R?.2@269.456,184.785 R?_1_5.2 U?.4@235.769,182.59 U?_1_5.4 | length 14.8
  Top Layer w0.254: p?.21@30.353,144.018 30.95,144.615 R?_1_5.2@34.163,144.615 35.09,144.615 36.068,143.637 Q?_1_5.3@39.226,143.637 42.876,143.637 43.851,144.612 U?_1_5.4@43.851,144.837
out_d_22: p?.22@30.353,141.478 Q?_15.3 R?_15.2 U?_15.4 | length 11.9
  Bottom Layer w0.254: p?.22@30.353,141.478 33.465,141.478 34.163,142.177 35.242,141.097 Q?_15.3@36.339,141.097 40.42,141.097 41.17,141.847
out_d_23: p?.23@30.353,138.938 Q?_1_6.3 R?_1_6.2 U?_1_6.4 | length 14.8
  Top Layer w0.254: p?.23@30.353,138.938 30.95,139.535 R?_1_6.2@34.163,139.535 35.09,139.535 36.068,138.557 Q?_1_6.3@39.226,138.557 42.876,138.557 43.851,139.532 U?_1_6.4@43.851,139.757
out_d_24: p?.24@30.353,136.398 Q?.3@126.78,162.753 Q?_16.3 R?_16.2 U?_16.4 | length 11.9
  Bottom Layer w0.254: p?.24@30.353,136.398 33.465,136.398 34.163,137.096 35.242,136.017 Q?_16.3@36.339,136.017 40.42,136.017 41.17,136.767
out_d_25: p?.25@30.353,133.858 Q?_1_7.3 R?_1_7.2 U?_1_7.4 | length 14.8
  Top Layer w0.254: p?.25@30.353,133.858 30.95,134.455 R?_1_7.2@34.163,134.455 35.09,134.455 36.068,133.477 Q?_1_7.3@39.226,133.477 42.876,133.477 43.851,134.452 U?_1_7.4@43.851,134.677
out_d_26: p?.26@30.353,131.318 Q?_17.3 R?_17.2 U?_17.4 | length 11.9
  Bottom Layer w0.254: p?.26@30.353,131.318 33.465,131.318 34.163,132.017 35.242,130.937 Q?_17.3@36.339,130.937 40.42,130.937 41.17,131.687
out_d_27: p?.27@30.353,128.778 Q?_1_8.3 R?_1_8.2 U?.4@322.002,66.385 U?_1_8.4 | length 14.8
  Top Layer w0.254: p?.27@30.353,128.778 30.95,129.375 R?_1_8.2@34.163,129.375 35.09,129.375 36.068,128.397 Q?_1_8.3@39.226,128.397 42.876,128.397 43.851,129.372 U?_1_8.4@43.851,129.597
out_d_28: p?.28@30.353,126.238 Q?_18.3 R?_18.2 U?_18.4 | length 11.9
  Bottom Layer w0.254: p?.28@30.353,126.238 33.465,126.238 34.163,126.936 35.242,125.857 Q?_18.3@36.339,125.857 40.42,125.857 41.17,126.607
out_d_29: p?.29@30.353,123.698 Q?_1_9.3 R?_1_9.2 U?_1_9.4 | length 14.8
  Top Layer w0.254: p?.29@30.353,123.698 30.95,124.295 R?_1_9.2@34.163,124.295 35.09,124.295 36.068,123.317 Q?_1_9.3@39.226,123.317 42.876,123.317 43.851,124.292 U?_1_9.4@43.851,124.517
out_d_30: p?.30@30.353,121.158 Q?_19.3 R?_19.2 U?_19.4 | length 11.9
  Bottom Layer w0.254: p?.30@30.353,121.158 33.465,121.158 34.163,121.856 35.242,120.777 Q?_19.3@36.339,120.777 40.42,120.777 41.17,121.527
out_d_31: 
out_d_32: 
out_d_33:  | length 12.7
  Top Layer w0.254: 154.686,118.11 157.162,118.11 157.988,118.935 157.988,118.961 159.598,118.961 160.068,118.491 160.418,118.491 160.418,119.524 161.163,120.269 164.06,120.269 164.888,119.441 165.113,119.441
out_d_34: 
out_d_35: 
out_d_36: 
out_d_37: 
out_d_38: 
out_d_39: 
out_d_40: 
out_d_41: R?.2@278.346,184.785
out_d_42: 
out_d_43: 
out_d_44: 
out_d_45: 
out_d_46: 
out_d_47: 
out_d_48: 
out_d_49: 
out_d_50: 
out_d_51: R?.2@282.918,184.785
out_d_52: 
out_d_53: 
out_d_54: 
out_d_55: 
out_d_56: 
out_d_57: 
out_d_58: 
out_d_59: 
out_d_60: 
out_d_61: p?.1@304.165,31.496 R?.2@287.363,184.785
out_d_62: p?.2@301.625,31.496
out_d_63: p?.3@299.085,31.496
out_d_64: p?.4@296.545,31.496
out_d_65: p?.5@294.005,31.496
out_d_66: p?.6@291.465,31.496
out_d_67: p?.7@288.925,31.496
out_d_68: p?.8@286.385,31.496
out_d_69: p?.9@283.845,31.496
out_d_70: p?.10@281.305,31.496
out_d_71: p?.11@278.765,31.496 U?.4@196.907,182.59
out_d_72: p?.12@276.225,31.496
out_d_73: p?.13@273.685,31.496
out_d_74: p?.14@271.145,31.496
out_d_75: p?.15@268.605,31.496
out_d_76: p?.16@266.065,31.496
out_d_77: p?.17@263.525,31.496
out_d_78: p?.18@260.985,31.496
out_d_79: p?.19@258.445,31.496
out_d_80: p?.20@255.905,31.496
out_d_81: p?.21@253.365,31.496 U?.4@201.987,182.59
out_d_82: p?.22@250.825,31.496
out_d_83: p?.23@248.285,31.496
out_d_84: p?.24@245.745,31.496 R?.2@321.399,51.689
out_d_85: p?.25@243.205,31.496
out_d_86: p?.26@240.665,31.496
out_d_87: p?.27@238.125,31.496
out_d_88: p?.28@235.585,31.496
out_d_89: p?.29@233.045,31.496
out_d_90: p?.30@230.505,31.496
out_d_91: P?.1@279.654,80.01 U?.4@207.067,182.59
out_d_92: P?.2@279.654,82.55
out_d_93: P?.3@279.654,85.09
out_d_94: P?.4@279.654,87.63
out_d_95: P?.5@279.654,90.17
out_d_96: P?.6@279.654,92.71
out_d_97: P?.7@279.654,95.25
out_d_98: P?.8@279.654,97.79
out_d_99: P?.9@279.654,100.33
out_d_100: P?.10@279.654,102.87
PROG: 
PROG-RST: 
PS-CLK: 
PS-POR-B: 
PS-RST: S?.1@125.222,123.698 S?.2@130.302,123.698
sck_1: U1.30
sck_2: U2.30
sck_3: U3.30
SHIELD: 
SPI-CS: 
SPI-IO0/MODE0: 
SPI-IO1/MODE1: 
SPI-IO2/MODE2: 
SPI-IO3/MODE3: 
SPI-SCK/MODE4: 
SPI-SCLK-FB/VCFG1: 
swclk_1: U1.76
swclk_2: U2.76
swclk_3: U3.76
swdio_1: U1.72
swdio_2: U2.72
swdio_3: U3.72
TCK: 
TCK-JTAG: 
TDI-JTAG: 
TDI-USB: 
TDO-FPGA: 
TDO-JTAG: 
TDO-USB/TDI-FPGA: 
TMS: 
TMS-JTAG: 
uart_rx_1: 
uart_rx_2: R?.1@156.172,84.836
uart_rx_3: 
uart_rx_4: 
uart_rx_5: 
uart_rx_6: R?.1@342.9,187.833
uart_rx_7: R?.1@289.979,184.785
uart_rx_8: R?.1@263.563,184.785
uart_rx_9: 
uart_rx_10: R?.1@184.315,184.785
uart_tx_1: U11.11
uart_tx_2: U11.10
uart_tx_3: 
uart_tx_4: 
uart_tx_5: 
uart_tx_6: 
uart_tx_7: U14.11
uart_tx_8: U14.10
uart_tx_9: U15.11
uart_tx_10: U15.10
VADJ: 
VCC1V0: 
VCC1V8: 
VCCPLL: 
XAD0-AD0_N: 
XAD-AD8_P: 
XADC-5V0: 
XADC-AD0_P: 
XADC-AD8_N: 
XADC-AGND: 
XADC-DXN: 
XADC-DXP: 
XADC-GIO0: 
XADC-GIO1: 
XADC-GIO2: 
XADC-GIO3: 
XADC-GND: J?.10@342.034,142.203
XADC-VCC: 
XADC-VN: 
XADC-VN-R: 
XADC-VP: 
XADC-VP-R: C?.1@270.04,103.505
XADC-VREFP: J?.11@342.034,167.193
XADC_VCC: 
XTAL_IN: 
XTAL_OUT: C?.2@271.742,103.505 Y?.1@265.557,95.885